# Altium PCB RT5728MainDriver20181215V0.01.PcbDoc (part 2 of 2)
Units mil, origin at the board's own origin, x right, y up, seen from the top; angles counter-clockwise.
Board outline 3937.01 x 2755.91 mil, 2 copper layers (Top Layer, Bottom Layer); 141 components, 77 nets, 350 pads, 543 vias.
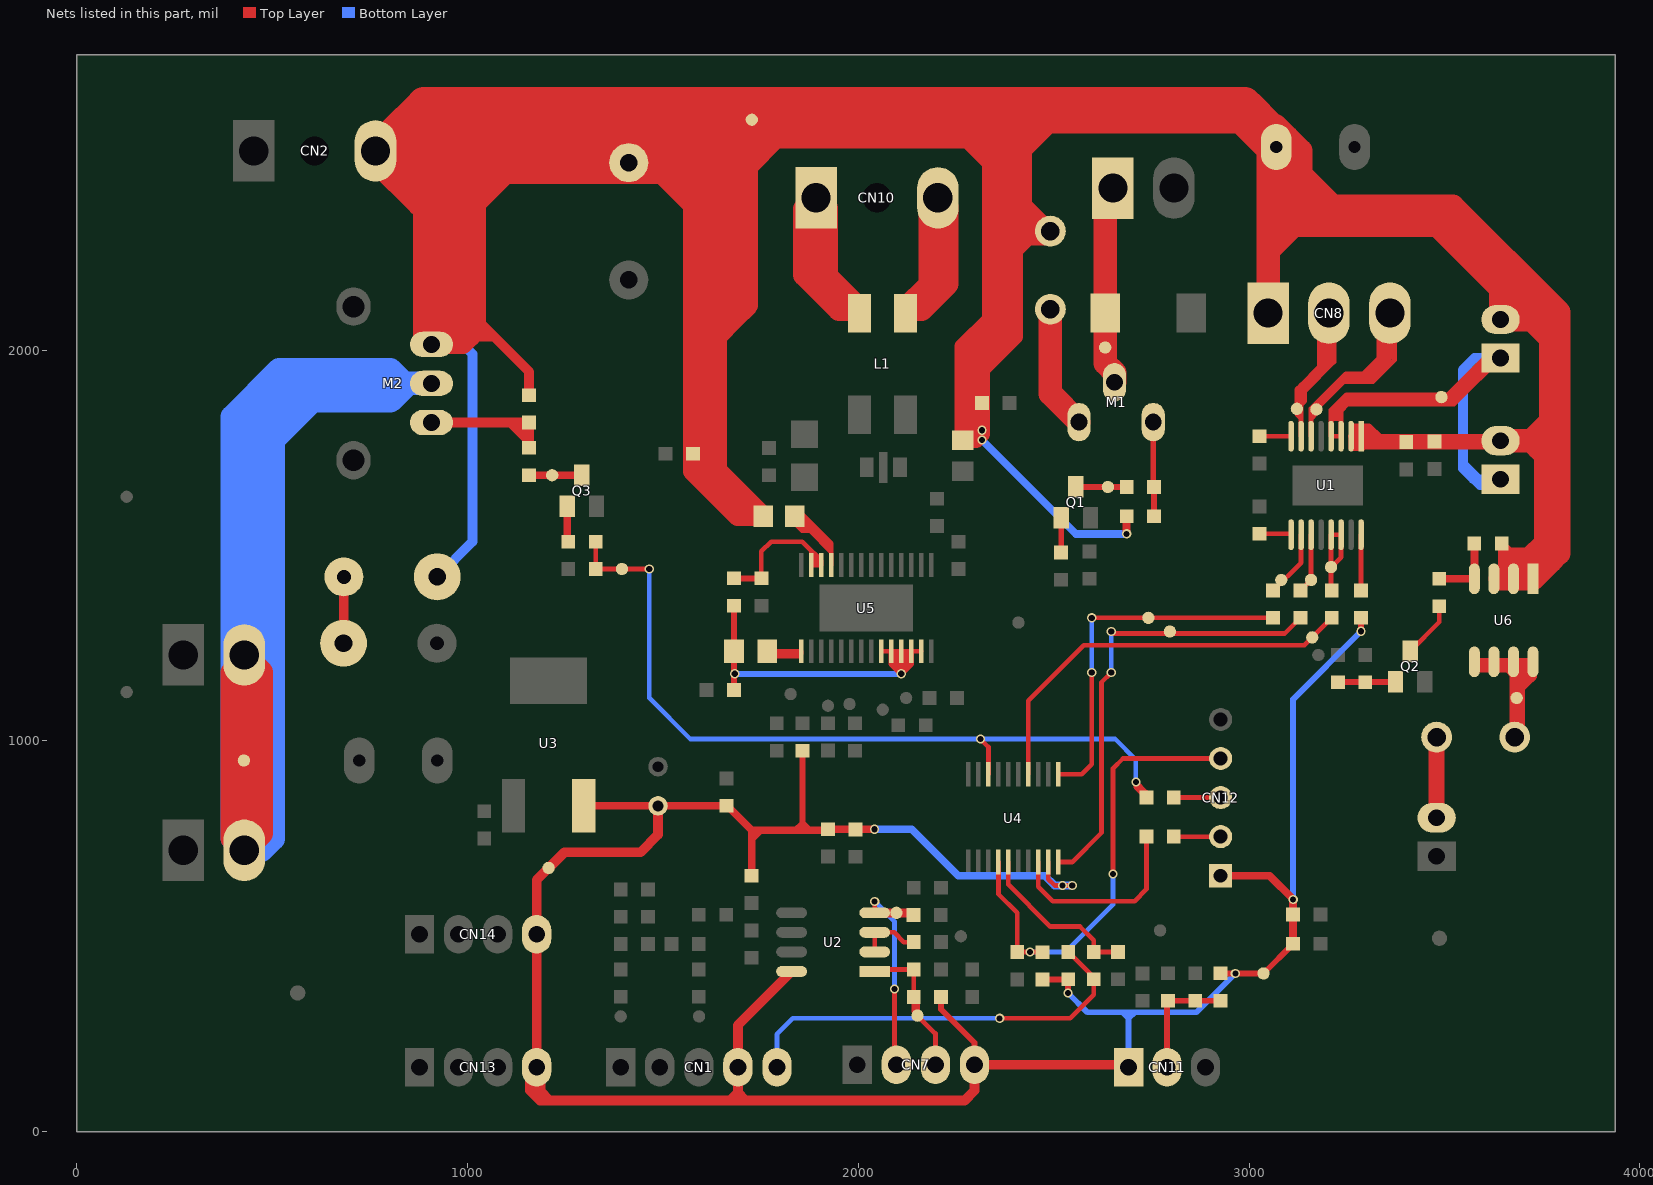
[diagram p2: the nets of this part, all layers, seen from the top]

## Via types
v1: diameter 23.62, hole 15.75, Top Layer to Bottom Layer, tented both sides, 513 vias
v2: diameter 19.68, hole 15.75, Top Layer to Bottom Layer, tented both sides, 30 vias

## Nets (pads, with @x,y where several pads share a name; then routed paths per layer and width w, separated by ;. In a path a pad name is that pad's centre, name@x,y a point inside that pad or via, vN(x,y) a via of type N, cw(c..) or ccw(c..) an arc to the next point about the centre after c; other vN are vias at no path point) (continued)
NetC22_1: C22.1 L4.2 R42.1 U5.23 U5.24 U5.25 U5.26 U5.27 | length 1020.8
  Top Layer w12: U5.23@2058.86,1229.53 U5.24@2084.45,1229.53 U5.25@2110.04,1229.53 U5.26@2135.63,1229.53 U5.27@2161.22,1229.53
  Top Layer w15: C22.1@1681.81,1130 L4.2@1681.81,1230 R42.1@1681.81,1346.1 ; U5.24@2084.45,1229.53 2084.45,1197.36 2097.24,1184.57 ; 2097.24,1224.96 2097.24,1184.57 ; U5.25@2110.04,1229.53 v1(2110.04,1171.77) ; 2123.27,1225.98 2123.27,1185 ; U5.26@2135.63,1229.53 2135.63,1197.36 2123.27,1185 ; 2097.24,1184.57 v1(2110.04,1171.77) ; v1(2110.04,1171.77) 2123.27,1185
  Bottom Layer w15: v1(1683.58,1171.77) v1(2110.04,1171.77)
NetCN3_2: CN3.2 CN5.2 M2.2 TP33.1 | length 7721.9
  Top Layer w60: CN3.2@428.35,720 397.44,750.91 397.44,1175 CN5.2@428.35,1205.91 ; CN3.2@428.35,720 CN5.2@428.35,1205.91 ; CN3.2@428.35,720 472.44,764.09 472.44,1175.91 CN5.2@428.35,1220 CN5.2@428.35,1205.91
  Bottom Layer w60: M2.2@907.44,1915 847.44,1915 ; CN3.2@428.35,720 397.44,750.91 397.44,1830 517.44,1950 792.44,1950 ; CN3.2@428.35,720 472.44,720 502.44,750 502.44,1770 ; CN3.2@428.35,720 472.44,764.09 472.44,1745 ; CN3.2@428.35,720 CN5.2@428.35,1220 428.35,1780.91 467.44,1820 ; 467.44,1820 502.44,1855 ; 467.44,1820 472.44,1815 472.44,1745 ; 472.44,1745 477.44,1745 502.44,1770 ; 502.44,1770 502.44,1855 ; 502.44,1770 602.44,1870 ; 502.44,1855 517.44,1870 ; 517.44,1870 602.44,1870 ; 517.44,1870 562.44,1915 827.44,1915 ; 602.44,1870 782.44,1870 ; 782.44,1870 802.44,1870 847.44,1915 ; 782.44,1870 827.44,1915 ; 792.44,1950 802.44,1950 827.44,1925 827.44,1915 ; 792.44,1950 827.44,1915 ; 827.44,1915 847.44,1915
NetCN4_1: CN4.1 D1.K M1.D TP12.1 | length 486.9
  Top Layer w60: CN4.1@2631.81,2395 D1.K@2631.81,2095 2631.81,1966.89 2655.81,1942.89 M1.D@2655.81,1918
NetCN10_1: CN10.1 L1.3 | length 849.5
  Top Layer w60: CN10.1@1863.35,2361.54 1863.35,2193.15 1951.57,2104.92 2002.76,2104.92 1918.17,2189.51 ; CN10.1@1891.81,2390 1891.81,2215.87 1918.17,2189.51 ; CN10.1@1918.17,2363.64 1918.17,2189.51
NetCN10_3: CN10.3 L1.4 | length 851.4
  Top Layer w60: CN10.3@2183.88,2370.26 2183.88,2167.93 ; CN10.3@2203.62,2390 2203.62,2187.68 2183.88,2167.93 ; CN10.3@2226.81,2366.81 2226.81,2170 2161.73,2104.92 2120.87,2104.92 2183.88,2167.93
NetCN11_2: CN11.2 R29.1 R36.2 R37.1 | length 332.8
  Top Layer w15: CN11.2@2790.24,165 2790.24,332.8 R37.1@2792.44,335 R36.2@2862.44,335 R29.1@2927.44,335 ; CN11.2@2791.81,165 CN11.2@2791.81,191.89
NetCN12_2: CN12.2 R41.1 | length 120
  Top Layer w12: R41.1@2807.44,755 CN12.2@2927.44,755
NetCN12_3: CN12.3 R48.1 | length 120
  Top Layer w12: R48.1@2807.44,855 CN12.3@2927.44,855
NetCN15_2: CN15.2 F2.1 | length 206.6
  Top Layer w40: CN15.2@3480,803.43 F2.1@3480,1010
NetF1_2: F1.2 M1.S | length 319.2
  Top Layer w60: F1.2@2491.81,2105 2491.81,1889 M1.S@2564.81,1816
NetF2_2: F2.2 TP21.1 U6.5 U6.6 U6.7 U6.8 | length 959
  Top Layer w20: U6.6@3630,1185 3576.81,1185 U6.5@3576.81,1202.4 U6.6@3626.81,1202.4 3647.4,1202.4 ; U6.6@3630,1185 3661.81,1185 ; U6.6@3630,1185 3647.4,1202.4 ; 3647.4,1202.4 3656.81,1202.4 ; 3656.81,1202.4 U6.7@3674.21,1185 ; 3656.81,1202.4 U6.7@3676.81,1202.4 ; 3661.81,1185 U6.7@3674.21,1185 ; 3661.81,1185 U6.7@3676.81,1170 ; U6.7@3674.21,1185 U6.7@3676.81,1185 ; U6.7@3676.81,1170 3689.21,1170 ; U6.7@3676.81,1170 U6.7@3676.81,1182.4 ; U6.7@3676.81,1170 3676.81,1013.19 F2.2@3680,1010 3696.81,1026.81 3696.81,1135 ; U6.7@3676.81,1182.4 U6.7@3676.81,1185 ; U6.7@3676.81,1182.4 3689.21,1170 ; U6.7@3676.81,1185 3696.81,1185 ; U6.7@3676.81,1185 U6.7@3676.81,1202.4 ; U6.7@3676.81,1202.4 3696.81,1202.4 ; 3689.21,1170 3691.81,1170 ; 3691.81,1170 3696.81,1170 ; 3691.81,1170 3696.81,1165 ; 3696.81,1135 3696.81,1165 ; 3696.81,1135 3711.81,1150 ; 3696.81,1165 3696.81,1170 ; 3696.81,1165 3711.81,1150 ; 3696.81,1170 3711.81,1170 3711.81,1185 ; 3696.81,1170 3696.81,1185 ; 3696.81,1185 3696.81,1202.4 ; 3696.81,1185 3711.81,1185 ; 3696.81,1202.4 3711.81,1202.4 ; 3711.81,1150 3726.81,1165 U6.8@3726.81,1202.4 3711.81,1202.4 ; 3711.81,1185 3711.81,1202.4
NetL2_1: L2.1 U5.11 | length 636.1
  Top Layer w12: L2.1@1836.81,1557.45 1855.54,1538.73 1865.54,1538.73 ; L2.1@1836.81,1567.45 1865.54,1538.73 ; L2.1@1841.81,1595 1901.81,1535 ; L2.1@1856.81,1565 1874.31,1547.5 ; 1889.31,1542.5 1901.81,1530 ; U5.11@1930.91,1450 1930.91,1483.45 ; 1865.54,1538.73 1875.63,1538.73 ; 1866.86,1547.5 1839.36,1575 L2.1@1836.81,1575 1864.31,1547.5 1866.86,1547.5 ; 1866.86,1547.5 1874.31,1547.5 ; 1866.86,1547.5 1875.63,1538.73 ; 1874.31,1547.5 1883.09,1538.73 ; 1875.63,1538.73 1883.09,1538.73 ; 1875.63,1538.73 1930.91,1483.45 ; 1883.09,1538.73 1901.81,1520 ; 1901.81,1520 1901.81,1530 ; 1901.81,1520 1930.91,1490.91 ; 1901.81,1530 1901.81,1535 ; 1901.81,1530 1930.91,1500.91 ; 1901.81,1535 1930.91,1505.91 1930.91,1500.91 ; 1930.91,1483.45 1930.91,1490.91 ; 1930.91,1490.91 1930.91,1500.91
NetL4_1: L4.1 U5.15 | length 188
  Top Layer w12: L4.1@1766.81,1230 L4.1@1767.28,1229.53 ; L4.1@1767.28,1229.53 1779.28,1217.53 1848.35,1217.53 1854.13,1223.31 U5.15@1854.13,1229.53 L4.1@1767.28,1229.53
NetM1_G: M1.G R13.1 R16.1 | length 239
  Top Layer w15: R13.1@2754.81,1652 M1.G@2754.81,1816 ; R16.1@2756.81,1575 R13.1@2756.81,1650
NetM2_1: M2.1 R18.1 R28.1 | length 382.1
  Top Layer w25: M2.1@907.44,1815 1110,1815 ; R18.1@1157.44,1750 1157.44,1767.56 ; 1110,1815 R28.1@1157.44,1815 1157.44,1767.56 ; 1110,1815 1157.44,1767.56
NetQ1_b: Q1.B R2.2 | length 88.7
  Top Layer w15: R2.2@2519.41,1482.6 Q1.B@2519.41,1571.26
NetQ1_c: Q1.C R13.2 TP5.1 | length 130
  Top Layer w15: Q1.C@2556.81,1650 R13.2@2686.81,1650
NetQ2_b: Q2.B R3.2 R4.2 | length 148.1
  Top Layer w15: R3.2@3227.44,1150 3228.7,1151.26 Q2.B@3375.04,1151.26
NetQ2_c: Q2.C R8.1 | length 145.8
  Top Layer w12: Q2.C@3412.44,1230 3486.81,1304.37 R8.1@3486.81,1345
NetQ3_b: Q3.B R17.2 | length 92.4
  Top Layer w20: Q3.B@1255.04,1601.26 1255.04,1512.84 R17.2@1257.88,1510
NetQ3_c: Q3.C R18.2 TP27.1 | length 135
  Top Layer w20: R18.2@1157.44,1680 Q3.C@1292.44,1680
NetR7_1: R7.1 R8.2 U6.4 | length 180
  Top Layer w20: R8.2@3486.81,1415 U6.4@3576.81,1415 R7.1@3576.81,1505
NetR22_2: R22.2 R23.1 | length 170.3
  Top Layer w25: R23.1@682.44,1250 683.23,1250.79 R22.2@683.23,1420
NetR27_1: R27.1 U2.2 U2.3 | length 160.4
  Top Layer w12: U2.2@2041.81,460 U2.3@2041.81,510 2091.81,510 2116.81,485 R27.1@2141.81,485
NetR40_2: R40.2 R42.2 U5.12 U5.13 | length 432.8
  Top Layer w12: R40.2@1751.81,1416.1 1751.81,1485 1776.81,1510 1856.81,1510 1879.72,1487.09 ; 1891.81,1450.71 1891.81,1475 ; 1898.56,1456.75 1898.56,1468.25 ; 1879.72,1487.09 1891.81,1475 ; 1879.72,1487.09 U5.13@1879.72,1450 U5.12@1905.31,1450 1905.31,1461.5 1898.56,1468.25 ; 1891.81,1475 1898.56,1468.25
  Top Layer w15: R42.2@1681.81,1416.1 R40.2@1751.81,1416.1
NetR44_1: R44.1 U1.16 | length 143
  Top Layer w12: R44.1@3286.81,1385 U1.16@3286.81,1528.03
NetR45_2: R45.2 U1.9 | length 78.9
  Top Layer w12: R45.2@3026.81,1530 U1.9@3105.71,1530
NetR46_2: R46.2 U1.8 | length 80.9
  Top Layer w12: R46.2@3026.81,1780 U1.8@3107.68,1780
NRST: C21.2 CN12.4 R43.2 U4.4 | length 1212.6
  Top Layer w12: U4.4@2358.58,690 2358.58,608.23 2406.81,560 C21.2@2406.81,459.56 R43.2@2471.81,459.56 ; v1(2652,659.56) 2652,929.56 2677.44,955 CN12.4@2927.44,955
  Bottom Layer w12: v1(2439.31,459.56) 2530,459.56 2652,581.56 v1(2652,659.56)
RX: CN7.3 R24.2 R25.1 TP17.1 U2.1 | length 424
  Top Layer w12: U2.1@2046.81,415 R25.1@2141.81,415 R24.2@2141.81,355 ; CN7.3@2197.44,171 2197.44,250.99 TP17.1@2151.44,296.99 ; R24.2@2141.81,355 R24.2@2141.81,345 2141.81,306.62 TP17.1@2151.44,296.99 ; R24.2@2141.81,355 2151.44,345.37 TP17.1@2151.44,296.99
SWCLK/POWER: R12.1 R17.1 R48.2 TP26.1 U4.18 | length 2106.5
  Top Layer w12: R17.1@1327.88,1510 R12.1@1327.88,1440 TP26.1@1395,1440 v1(1465,1440) ; v1(2312.44,1005) 2332.99,984.45 U4.18@2332.99,914.41 ; 2710.44,882 R48.2@2737.44,855 2737.44,868 v1(2710.44,895) 2710.44,882
  Bottom Layer w12: v1(1465,1440) 1465,1110 1570,1005 v1(2312.44,1005) 2657.44,1005 2710.44,952 v1(2710.44,895)
SWDIO: R41.2 U4.8 | length 502.5
  Top Layer w12: U4.8@2460.94,690 2460.94,626.5 2497.44,590 2707.44,590 2737.44,620 R41.2@2737.44,755
TX: CN7.2 R26.1 TP16.1 U2.4 | length 658.3
  Top Layer w12: U2.4@2041.81,560 v1(2041.81,589.37) ; U2.4@2046.81,565 2097.44,565 2125.36,565 R26.1@2136.11,554.25 ; U2.4@2047.56,554.25 R26.1@2136.11,554.25 ; v1(2092.44,365) 2092.44,176 CN7.2@2097.44,171 ; R26.1@2141.37,554.25 R26.1@2136.11,554.25
  Bottom Layer w12: v1(2041.81,589.37) 2092.44,538.74 v1(2092.44,365)
V24: C2.1 C7.1 C8.1 C11.1 C19.1 C20.1 CN2.3 CN6.2 CN8.1 CN9.2 F1.1 L2.2 L3.2 M2.3 R7.2 R16.2 R22.1 R28.2 TP11.1 U1.1 U1.2 U6.1 U6.2 U6.3 | length 32569.1
  Top Layer w15: U1.2@3261.22,1780 3261.81,1779.41 3261.81,1750 3290.7,1750 3306.81,1766.11 3326.57,1785.87 ; 3271.81,1790.59 3271.81,1805 3307.44,1805 3317.44,1795 ; 3301.81,1795 3317.44,1795 ; 3302.44,1780 3317.44,1795 ; 3346.33,1766.11 3326.57,1785.87 ; 3317.44,1795 3326.57,1785.87
  Top Layer w20: v1(2686.81,1530) R16.2@2686.81,1575 ; U6.3@3626.81,1440 U6.3@3626.81,1435 ; U6.3@3631.81,1420 U6.3@3626.81,1415 U6.3@3626.81,1435 ; 3692.44,1430.63 3692.44,1460 ; 3707.44,1434.37 3707.44,1460 ; 3739.94,1750.93 3739.94,1514.94 ; 3771.81,1460 3727.44,1460 ; 3792.36,1480.55 3780.22,1468.41 3772.44,1468.41 3735.85,1468.41 ; U6.3@3626.81,1435 3656.81,1435 ; 3646.81,1460 3666.81,1460 ; 3646.81,1460 3646.81,1480 ; 3646.81,1460 U6.2@3676.81,1430 ; 3646.81,1460 3646.81,1445 3656.81,1435 ; 3646.81,1480 3658.41,1468.41 ; 3646.81,1480 R7.2@3646.81,1505 3666.81,1485 ; 3656.81,1435 U6.2@3676.81,1415 U6.2@3676.81,1430 ; 3658.41,1468.41 3666.81,1460 ; 3658.41,1468.41 3683.41,1468.41 ; 3666.81,1460 3691.81,1460 ; 3666.81,1460 3676.81,1450 U6.2@3676.81,1430 ; 3666.81,1485 3710,1485 ; 3666.81,1485 3683.41,1468.41 ; 3683.41,1468.41 3691.81,1460 ; 3683.41,1468.41 3723.35,1468.41 ; 3691.81,1460 3692.44,1460 ; 3692.44,1460 3707.44,1460 ; 3707.44,1460 3714.94,1460 ; 3710,1485 3739.94,1485 ; 3710,1485 3739.94,1514.94 ; 3714.94,1460 3723.35,1468.41 ; 3714.94,1460 3727.44,1460 ; 3723.35,1468.41 3739.94,1485 ; 3723.35,1468.41 3735.85,1468.41 ; 3727.44,1460 3735.85,1468.41 ; 3735.85,1468.41 3739.94,1472.5 ; 3739.94,1472.5 3752.44,1485 ; 3739.94,1472.5 3739.94,1485 ; 3739.94,1485 3739.94,1514.94 ; 3739.94,1485 3752.44,1485 ; 3739.94,1514.94 3749.92,1524.92 3772.44,1524.92 3792.36,1524.92 3772.44,1505 3752.44,1485
  Top Layer w25: M2.3@907.64,2015 912.44,2019.8 927.64,2035 970.94,2035 1007.44,2035 1067.44,2035 ; 992.44,2110 1022.44,2080 1067.44,2035 ; R28.2@1157.44,1885 1157.44,1945 1067.44,2035
  Top Layer w40: 2336.81,2615 2336.81,2560 2336.81,2541.3 2336.81,2485 2336.81,2080 ; 2371.81,2580 2371.81,2540 2371.81,2050 ; 2401.81,2600 2401.81,2575 ; 2424.31,2577.5 2424.31,2575 ; F1.1@2474.31,2287.5 2434.31,2287.5 ; F1.1@2491.81,2305 F1.1@2471.81,2325 ; 2501.81,2587.5 2489.31,2575 ; 2501.81,2620 2456.81,2575 ; C7.1@3052.44,2510 2987.44,2575 2489.31,2575 ; U1.1@3286.41,1790.4 3286.41,1766.11 3306.81,1766.11 3346.33,1766.11 C11.1@3474.6,1766.11 CN9.2@3641.39,1766.11 ; L3.2@2266.81,1770 2266.81,2010 2336.81,2080 ; L3.2@2266.81,1770 2286.81,1790 2286.81,1965 ; L3.2@2266.81,1770 2301.81,1770 2316.81,1785 v1(2316.81,1795) C20.1@2316.81,1865 2316.81,1950 2401.81,2035 2401.81,2080 ; 2286.81,1965 2286.81,1995 2336.81,2045 2336.81,2080 ; 2286.81,1965 2371.81,2050 ; 2371.81,2050 2401.81,2080 ; 2401.81,2080 2401.81,2255 ; 2401.81,2255 2401.81,2325 2401.81,2395 ; 2401.81,2255 2434.31,2287.5 ; 2401.81,2395 2401.81,2520 ; 2401.81,2395 2424.31,2372.5 ; 2401.81,2520 2401.81,2575 ; 2401.81,2520 2424.31,2542.5 ; 2401.81,2575 2424.31,2575 ; 2424.31,2372.5 2424.31,2510 ; 2424.31,2372.5 2454.31,2342.5 ; 2424.31,2510 2489.31,2575 ; 2424.31,2510 2424.31,2542.5 ; 2424.31,2542.5 2424.31,2575 ; 2424.31,2542.5 2456.81,2575 ; 2424.31,2575 2456.81,2575 ; 2434.31,2287.5 F1.1@2454.31,2307.5 ; F1.1@2454.31,2307.5 2454.31,2342.5 ; F1.1@2454.31,2307.5 F1.1@2471.81,2325 ; 2454.31,2342.5 F1.1@2471.81,2325 ; 2456.81,2575 2489.31,2575
  Top Layer w50: 882.44,2565.63 872.44,2555.63 872.44,2520 872.44,2477.19 ; M2.3@912.44,2019.8 912.44,2330 ; M2.3@927.64,2035 952.44,2059.8 952.44,2340 ; 962.44,2565.63 952.44,2555.63 952.44,2520 952.44,2477.19 ; 1122.44,2565.63 1118.07,2565.63 1072.44,2520 1029.63,2477.19 ; 1172.44,2520 1167.44,2520 ; 1376.81,2520 1383.62,2520 1426.81,2520 1469.63,2477.19 ; 1421.81,2565 1466.81,2520 1509.63,2477.19 ; 1481.81,2545 1506.81,2520 ; 1579.31,2535 1576.81,2532.5 1576.81,2506.89 1576.81,2466.89 1576.81,2410 ; 1608.7,2005 1639.31,2035.61 ; 1621.81,2620 1616.81,2615 1616.81,2530 1639.31,2552.5 ; 1639.31,2557.5 1639.31,2552.5 ; 1706.81,2620 1639.31,2552.5 ; 1718.7,2608.11 TP11.1@1718.7,2586.89 ; 1751.81,2620 TP11.1@1718.7,2586.89 ; 1784.31,2620 1724.31,2560 ; 1895,2620 1868.7,2620 1808.7,2560 ; 2351.81,2470 2336.81,2485 2280.51,2541.3 ; 2356.81,2560 2336.81,2560 2261.81,2560 ; 2371.81,2540 2370.51,2541.3 2336.81,2541.3 2280.51,2541.3 ; CN2.3@797.07,2477.19 872.44,2401.81 ; CN2.3@797.07,2477.19 CN2.3@764.25,2510 764.25,2478.19 872.44,2370 ; CN2.3@797.07,2477.19 872.44,2477.19 ; 872.44,2370 885,2357.44 ; 872.44,2370 872.44,2401.81 ; 872.44,2401.81 885,2389.25 885,2357.44 ; 872.44,2401.81 872.44,2477.19 ; 872.44,2477.19 912.44,2477.19 ; 885,2357.44 885,2037.64 M2.3@907.64,2015 M2.3@950.94,2015 ; 885,2357.44 912.44,2330 ; 912.44,2330 912.44,2477.19 ; 912.44,2477.19 952.44,2477.19 ; M2.3@950.94,2015 970.94,2035 992.44,2056.5 992.44,2110 992.44,2380 ; M2.3@950.94,2015 987.44,2015 1007.44,2035 1022.44,2050 1022.44,2080 1022.44,2375 ; 952.44,2340 992.44,2380 ; 952.44,2340 952.44,2400 ; 952.44,2400 952.44,2477.19 ; 952.44,2400 1029.63,2477.19 ; 952.44,2477.19 1029.63,2477.19 ; 992.44,2380 1022.44,2410 ; 1022.44,2375 1098.35,2450.91 ; 1022.44,2375 1022.44,2410 ; 1022.44,2410 1063.35,2450.91 ; 1029.63,2477.19 1055.91,2450.91 1063.35,2450.91 ; 1029.63,2477.19 1089.63,2477.19 ; 1063.35,2450.91 1089.63,2477.19 ; 1063.35,2450.91 1098.35,2450.91 ; 1089.63,2477.19 1124.63,2477.19 ; 1089.63,2477.19 1132.44,2520 1167.44,2520 ; 1098.35,2450.91 1124.63,2477.19 ; 1098.35,2450.91 1495.91,2450.91 ; 1124.63,2477.19 1469.63,2477.19 ; 1124.63,2477.19 1167.44,2520 ; 1469.63,2477.19 1495.91,2450.91 ; 1469.63,2477.19 1509.63,2477.19 ; 1495.91,2450.91 1576.81,2370 ; 1509.63,2477.19 1576.81,2410 ; 1576.81,1755 C19.1@1576.81,1735 1576.81,1690 1691.81,1575 1711.81,1575 ; 1576.81,1755 1604.01,1727.81 ; 1576.81,1755 1576.81,2087.5 ; 1576.81,2087.5 1576.81,2370 ; 1576.81,2087.5 1604.01,2114.69 ; 1576.81,2370 1576.81,2410 ; 1604.01,1727.81 1604.01,2114.69 ; 1604.01,1727.81 1616.81,1715 ; 1604.01,2114.69 1604.01,2439.69 1604.01,2472.19 1607.76,2475.94 1623.06,2491.25 1639.31,2507.5 ; 1604.01,2114.69 1639.31,2150 ; 1616.81,1715 1616.81,1670 1711.81,1575 ; 1616.81,1715 1639.31,1692.5 ; 1639.31,1692.5 L2.2@1756.81,1575 1711.81,1575 ; 1639.31,1692.5 1639.31,2035.61 ; 1639.31,2035.61 1683.7,2080 ; 1639.31,2035.61 1639.31,2150 ; 1639.31,2150 1639.31,2404.39 1639.31,2444.39 1639.31,2475 ; 1639.31,2150 1683.7,2194.39 ; 1639.31,2475 1639.31,2507.5 ; 1639.31,2475 1718.7,2554.39 ; 1639.31,2507.5 1639.31,2552.5 ; 1639.31,2507.5 1691.81,2560 ; 1683.7,2080 1683.7,2194.39 ; 1683.7,2080 1718.7,2115 1718.7,2470 ; 1683.7,2194.39 1683.7,2465 1718.7,2500 ; 1691.81,2560 1718.7,2560 ; 1691.81,2560 TP11.1@1718.7,2586.89 ; 1718.7,2470 1790,2541.3 ; 1718.7,2470 1718.7,2500 ; 1718.7,2500 1760,2541.3 ; 1718.7,2500 1718.7,2554.39 ; 1718.7,2554.39 1718.7,2560 ; 1718.7,2554.39 1724.31,2560 ; 1718.7,2560 TP11.1@1718.7,2586.89 ; 1718.7,2560 1724.31,2560 ; 1724.31,2560 1778.7,2560 ; 1760,2541.3 1778.7,2560 ; 1760,2541.3 1790,2541.3 ; 1778.7,2560 1808.7,2560 ; 1790,2541.3 1808.7,2560 ; 1790,2541.3 2280.51,2541.3 ; 1808.7,2560 2261.81,2560 ; 2261.81,2560 2280.51,2541.3
  Top Layer w60: CN8.1@3048.7,2095 3048.7,2255 ; C7.1@3048.7,2506.26 3048.7,2388.74 ; C7.1@3067.32,2575.12 C7.1@3097.44,2545 ; 3271,2320 3262.44,2320 ; 3642.44,1415 U6.2@3676.81,1415 U6.1@3726.81,1415 3771.81,1460 3772.44,1460.63 ; CN9.2@3643.7,1768.43 3722.44,1768.43 ; 3643.7,2160 3643.7,2158.66 ; 3764.02,1768.43 3722.44,1768.43 ; 3780.22,1468.41 3772.44,1460.63 ; 3792.36,1480.55 3792.36,1524.92 3792.36,1698.5 ; 3048.7,2255 3113.7,2320 ; 3048.7,2255 3048.7,2291.26 ; 3048.7,2291.26 3048.7,2340 ; 3048.7,2291.26 3077.44,2320 ; 3048.7,2340 3048.7,2388.74 ; 3048.7,2340 3097.44,2340 ; 3048.7,2388.74 3097.44,2340 ; 3077.44,2320 3097.44,2340 ; 3077.44,2320 3113.7,2320 ; 3097.44,2340 3097.44,2385 ; 3097.44,2340 3142.44,2340 ; 3097.44,2385 C7.1@3097.44,2545 ; 3097.44,2385 3132.44,2350 ; C7.1@3097.44,2545 3132.44,2510 3132.44,2450 ; 3113.7,2320 3227.44,2320 ; 3132.44,2350 3132.44,2415 ; 3132.44,2350 3142.44,2340 ; 3132.44,2415 3132.44,2450 ; 3132.44,2415 3178.72,2368.72 ; 3132.44,2450 3213.72,2368.72 ; 3142.44,2340 3207.44,2340 ; 3178.72,2368.72 3213.72,2368.72 ; 3178.72,2368.72 3207.44,2340 ; 3207.44,2340 3242.44,2340 ; 3207.44,2340 3227.44,2320 ; 3213.72,2368.72 3521.28,2368.72 3792.36,2097.64 3792.36,2040.08 ; 3213.72,2368.72 3242.44,2340 ; 3227.44,2320 3262.44,2320 ; 3242.44,2340 3462.36,2340 ; 3242.44,2340 3262.44,2320 ; 3262.44,2320 3482.36,2320 ; 3462.36,2340 3482.36,2320 ; 3462.36,2340 3492.44,2340 3792.36,2040.08 ; 3482.36,2320 3643.7,2158.66 ; 3643.7,2158.66 3723.94,2078.43 ; 3643.7,2158.66 CN6.2@3643.7,2078.43 3723.94,2078.43 ; 3722.44,1768.43 3739.94,1750.93 3772.44,1718.43 ; 3722.44,1768.43 3772.44,1818.43 ; 3723.94,2078.43 3772.44,2029.92 ; 3772.44,1460.63 3772.44,1468.41 3772.44,1505 3772.44,1524.92 3772.44,1718.43 ; 3772.44,1718.43 3792.36,1698.5 ; 3772.44,1718.43 3772.44,1818.43 ; 3772.44,1818.43 3792.36,1838.35 ; 3772.44,1818.43 3772.44,2029.92 ; 3772.44,2029.92 3792.36,2010 ; 3792.36,1698.5 3792.36,1838.35 ; 3792.36,1838.35 3792.36,2010 ; 3792.36,2010 3792.36,2040.08
  Top Layer w80: CN2.3@764.25,2510 CN2.3@774.25,2520 ; 1118.07,2565.63 962.44,2565.63 882.44,2565.63 819.88,2565.63 ; 1122.44,2565.63 1352.44,2565.63 ; 1132.44,2520 1072.44,2520 952.44,2520 872.44,2520 CN2.3@774.25,2520 ; 1172.44,2520 1306.81,2520 ; C2.1@1383.62,2520 1421.81,2558.19 ; C2.1@1426.81,2520 1466.81,2520 1506.81,2520 1523.7,2520 ; 1561.81,2520 1523.7,2520 ; 1571.81,2565 1421.81,2565 ; 1639.31,2404.39 1604.01,2439.69 1576.81,2466.89 1523.7,2520 ; 1639.31,2475 1623.06,2491.25 1579.31,2535 1548.7,2535 ; 1663.7,2420 1639.31,2444.39 1607.76,2475.94 1576.81,2506.89 1548.7,2535 ; 2381.81,2325 2401.81,2325 ; 2501.81,2620 1868.7,2620 1784.31,2620 1751.81,2620 1706.81,2620 1621.81,2620 1476.81,2620 ; 2503.41,2621.59 2954.04,2621.59 ; CN2.3@774.25,2520 819.88,2565.63 ; 819.88,2565.63 874.25,2620 ; 874.25,2620 888.07,2633.82 2990,2633.82 3002.22,2621.59 ; 874.25,2620 1406.81,2620 ; 1306.81,2520 1352.44,2565.63 ; 1306.81,2520 1376.81,2520 1421.81,2565 ; 1352.44,2565.63 1406.81,2620 ; 1406.81,2620 1476.81,2620 ; 1421.81,2565 1476.81,2620 ; 1523.7,2520 1508.7,2535 1548.7,2535 ; 2954.04,2621.59 3048.7,2526.93 3048.7,2575.12 3002.22,2621.59 ; 2954.04,2621.59 3002.22,2621.59
  Bottom Layer w20: v1(2316.81,1795) v1(2316.81,1770) 2556.81,1530 v1(2686.81,1530)
  Bottom Layer w25: M2.3@907.64,2015 987.44,2015 1012.44,1990 1012.44,1510 R22.1@922.44,1420
VALVE2_ENBL: R10.1 TP1.1 U4.14 | length 1048.7
  Top Layer w12: U4.14@2435.35,914.41 2435.35,1102.91 2577.44,1245 3141.81,1245 3201.81,1305 R10.1@3211.81,1305
VALVE2ENBL: R10.2 TP8.1 U1.13 U1.14 | length 260.5
  Top Layer w12: R10.2@3210.04,1386.77 TP8.1@3210.04,1445 ; TP8.1@3210.04,1445 3235.63,1470.59 U1.14@3235.63,1528.03 U1.13@3210.04,1528.03 TP8.1@3210.04,1445
VALVE2OUT: CN6.1 CN9.1 TP22.1 U1.3 U1.4 | length 2772.8
  Top Layer w12: CN6.1@3602.44,1980 3508.71,1886.26 ; CN6.1@3612.44,1980 3518.71,1886.26 ; CN6.1@3643.7,1980 CN6.1@3642.44,1980 ; 3210.04,1820 3215.04,1825 ; 3210.04,1820 U1.4@3210.04,1780 U1.3@3235.63,1780 3235.63,1825 ; 3210.04,1820 3210.04,1835 ; 3210.04,1835 3235.63,1860.59 ; 3210.04,1835 3225.04,1835 ; 3210.04,1835 3210.04,1847.6 3242.44,1880 ; 3215.04,1825 3235.63,1825 ; 3215.04,1825 3225.04,1835 ; 3225.04,1835 3225.63,1835 3235.63,1825 ; 3225.04,1835 3235.63,1845.59 ; 3235.63,1825 3235.63,1845.59 ; 3235.63,1845.59 3252.44,1862.4 ; 3235.63,1845.59 3235.63,1860.59 ; 3235.63,1860.59 3237.44,1862.4 ; 3237.44,1862.4 3247.44,1872.4 ; 3237.44,1862.4 3252.44,1862.4 ; 3242.44,1880 3255.04,1880 ; 3242.44,1880 3248.71,1886.26 3508.71,1886.26 ; 3247.44,1872.4 3255.04,1880 ; 3247.44,1872.4 3262.44,1872.4 ; 3252.44,1862.4 3524.84,1862.4 3534.84,1872.4 ; 3252.44,1862.4 3262.44,1872.4 ; 3255.04,1880 3270.04,1880 ; 3262.44,1872.4 3534.84,1872.4 ; 3262.44,1872.4 3270.04,1880 ; 3270.04,1880 TP22.1@3502.44,1880 ; TP22.1@3502.44,1880 3512.44,1880 ; TP22.1@3502.44,1880 3508.71,1886.26 ; 3508.71,1886.26 3518.71,1886.26 ; 3512.44,1880 3527.44,1880 3533.71,1886.26 ; 3512.44,1880 3518.71,1886.26 ; 3518.71,1886.26 3533.71,1886.26 ; 3533.71,1886.26 3627.44,1980 CN6.1@3642.44,1980 ; 3534.84,1872.4 CN6.1@3642.44,1980
  Bottom Layer w25: CN9.1@3640,1655 3590.96,1655 3575.96,1670 ; CN9.1@3643.7,1670 3586.18,1670 ; CN6.1@3643.7,1980 3577.44,1980 3547.44,1950 3547.44,1708.74 ; 3547.44,1708.74 3547.44,1697.44 3574.88,1670 3575.96,1670 ; 3547.44,1708.74 3586.18,1670 ; 3575.96,1670 3586.18,1670
VALVE3_ENBL: R11.1 TP2.1 U4.10 | length 1169.7
  Top Layer w12: U4.10@2512.13,690 2547.44,690 2622.44,765 2622.44,1150 v1(2647.44,1175) ; v1(2647.44,1280) 2652.44,1275 3091.81,1275 R11.1@3131.81,1315
  Bottom Layer w12: v1(2647.44,1175) v1(2647.44,1280)
VALVE3ENBL: R11.2 TP9.1 U1.11 | length 154.2
  Top Layer w12: R11.2@3131.81,1385 TP9.1@3158.86,1412.05 U1.11@3158.86,1528.03
VALVE3OUT: CN8.3 TP20.1 U1.6 | length 1376.8
  Top Layer w12: U1.6@3158.86,1780 3158.86,1825 ; TP20.1@3172.44,1838.58 3158.86,1825 ; CN8.3@3332.44,2066.93 3332.44,1980 ; 3337.44,1985 3332.44,1980 ; CN8.3@3342.44,2076.93 3342.44,1975 ; CN8.3@3352.44,2086.93 3352.44,1985 3342.44,1975 ; CN8.3@3360.51,2095 3360.51,1978.07 3312.44,1930 3297.44,1930 ; CN8.3@3372.44,2083.07 3372.44,1975 3317.44,1920 3243.86,1920 ; 3158.86,1825 3158.86,1835 ; 3158.86,1835 TP20.1@3172.44,1848.58 3243.86,1920 ; 3158.86,1835 3158.86,1851.42 3237.44,1930 ; 3237.44,1930 3247.44,1940 3292.44,1940 ; 3237.44,1930 3253.86,1930 ; 3243.86,1920 3253.86,1930 ; 3253.86,1930 3297.44,1930 ; 3292.44,1940 3332.44,1980 ; 3292.44,1940 3307.44,1940 ; 3297.44,1930 3307.44,1940 ; 3307.44,1940 3332.44,1965 ; 3332.44,1965 3342.44,1975 ; 3332.44,1965 3332.44,1980
VALVE4_ENBL: R9.1 TP3.1 U4.11 | length 935.3
  Top Layer w12: U4.11@2512.13,914.41 2571.85,914.41 2597.44,940 v1(2597.44,1175) ; v1(2597.44,1315) TP3.1@2742.44,1315 R9.1@3061.81,1315
  Bottom Layer w12: v1(2597.44,1175) v1(2597.44,1315)
VALVE4ENBL: R9.2 TP10.1 U1.10 | length 172.6
  Top Layer w12: R9.2@3061.81,1385 3133.27,1456.46 U1.10@3133.27,1528.03
VALVE4OUT: CN8.2 TP19.1 U1.7 | length 1270.1
  Top Layer w12: U1.7@3133.27,1780 3133.27,1825 ; CN8.2@3179.94,2070.33 3179.94,1957.5 ; CN8.2@3187.44,2077.83 3187.44,1965 ; CN8.2@3197.44,2087.83 3197.44,1975 ; CN8.2@3204.61,2095 3204.61,1982.17 3197.44,1975 ; CN8.2@3208.27,2077.01 3208.27,1975 ; CN8.2@3217.44,2082.17 3217.44,1984.17 ; 3133.27,1825 TP19.1@3133.27,1860 ; 3133.27,1825 3122.44,1835.83 TP19.1@3122.44,1850 3122.44,1900 3133.27,1910.83 ; TP19.1@3133.27,1860 3142.44,1869.17 3142.44,1895 ; TP19.1@3133.27,1860 3133.27,1900 ; 3133.27,1900 3133.27,1910.83 ; 3133.27,1900 3142.44,1909.17 ; 3133.27,1910.83 3179.94,1957.5 ; 3142.44,1895 3217.44,1970 3217.44,1984.17 ; 3142.44,1895 3142.44,1909.17 ; 3142.44,1909.17 3208.27,1975 ; 3179.94,1957.5 3187.44,1965 ; 3187.44,1965 3197.44,1975 ; 3208.27,1975 3217.44,1984.17
VCC: C9.1 C10.1 C12.2 C13.1 C25.1 C26.1 CN1.4 CN7.4 CN11.1 CN12.1 CN13.4 CN14.4 R20.2 R24.1 R29.2 R35.2 R43.1 R44.2 R47.2 TP23.1 TP24.1 U2.8 U3.3 U4.9 | length 7389.4
  Top Layer w12: U4.9@2486.53,690 2486.53,645.91 2502.44,630 v1(2522.44,630) v1(2547.44,630)
  Top Layer w15: 1838.94,771.5 1857.44,790 ; 1852.44,771.5 1857.44,776.5 1857.44,790 ; R47.2@1857.44,975 1857.44,790 ; 1882.44,771.5 1875.94,771.5 1857.44,790 ; R24.1@2211.81,345 2211.81,313.19 2297.44,227.56 CN7.4@2297.44,171 ; R43.1@2471.81,389.56 2537,389.56 2536.81,389.37 v1(2536.81,355) ; R29.2@2927.44,405 v1(2965,405) TP24.1@3037.19,405 C26.1@3112.93,480.75 ; v1(3286.81,1280.63) R44.2@3286.81,1315
  Top Layer w20: U3.3@1297.36,834 C9.1@1487.44,834 1664.94,834 1727.44,771.5 ; R20.2@1727.44,655.63 1727.44,750 ; 1752.44,771.5 1748.94,771.5 ; C12.2@1911.06,771.5 1875.94,771.5 1852.44,771.5 1838.94,771.5 1748.94,771.5 ; C12.2@1922.44,774 v1(2041.7,774) ; R35.2@2537,389.56 R35.2@2537.44,390 ; CN12.1@2927.44,655 3052.44,655 v1(3112.93,594.51) C25.1@3112.93,555.75 C26.1@3112.93,480.75 ; 1727.44,750 1748.94,771.5 ; 1727.44,750 1727.44,771.5 ; 1727.44,771.5 1748.94,771.5
  Top Layer w25: C9.1@1487.44,834 1487.44,760 1442.44,715 1247.44,715 1176.81,644.37 CN14.4@1176.81,505 CN13.4@1176.81,165 ; 1691.81,80.63 1691.81,100 ; U2.8@1829.21,410 1691.81,272.6 CN1.4@1691.81,165 1691.81,100 ; CN11.1@2691.81,165 2685.82,171 CN7.4@2297.44,171 2297.44,105 2272.44,80 1711.81,80 ; CN13.4@1176.81,165 1187.5,154.31 1187.5,102.5 ; CN13.4@1176.81,165 1160,148.19 1160,105 1185,80 1210,80 ; CN13.4@1176.81,165 1176.81,113.19 1187.5,102.5 ; 1187.5,102.5 1210,80 ; 1210,80 1671.81,80 ; 1671.81,80 1711.81,80 ; 1671.81,80 1691.81,100 ; 1691.81,100 1711.81,80
  Bottom Layer w15: v1(2536.81,355) 2586.18,305.63 2676.18,305.63 ; CN11.1@2691.81,165 2691.81,290 ; 2720,305.63 2707.44,305.63 ; v1(2965,405) 2865.63,305.63 2707.44,305.63 ; v1(3112.93,594.51) 3112.93,1106.75 v1(3286.81,1280.63) ; 2676.18,305.63 2692.44,305.63 ; 2676.18,305.63 2691.81,290 ; 2691.81,290 2707.44,305.63 ; 2691.81,290 2691.81,305 2692.44,305.63 ; 2692.44,305.63 2707.44,305.63
  Bottom Layer w20: v1(2041.7,774) 2136.78,774 2255.78,655 2477.44,655 2502.44,630 v1(2522.44,630) v1(2547.44,630)
WAKE: CN1.5 R35.1 R38.1 | length 1073.6
  Top Layer w12: v1(2361.74,290) 2542.44,290 2602.44,350 R38.1@2602.44,390 2602.44,395 R35.1@2537.44,460
  Bottom Layer w12: CN1.5@1791.81,165 1791.81,249.37 1832.44,290 v1(2361.74,290)
WAKEUP: C4.2 R38.2 U4.5 | length 427.3
  Top Layer w12: U4.5@2384.17,690 2384.17,632.64 2491.81,525 2567.44,525 2602.44,490 R38.2@2602.44,460 C4.2@2665,460
pads on no net: CN2.2 CN10.2 M2.4 M2.5 U1.15 U5.22

## Polygon pours and split planes (outlines as drawn)
GND on Top Layer "Top Layer-No Net" (solid, remove dead copper, pour order 4): 0,2755.91 3937.01,2755.91 3937.01,0 0,0
GND on Bottom Layer "Top Layer-No Net" (solid, remove dead copper, pour order 3): 0,2755.91 3937.01,2755.91 3937.01,0 0,0

## Keep-outs
Keep-Out Layer:
  circle w5: c3779.53,2913.39 r68.9
  circle w5: c157.48,5354.33 r68.9
  circle w5: c157.48,2913.39 r68.9
  circle w5: c3779.53,5354.33 r68.9
  circle w5: c3779.53,2598.43 r68.9
  circle w5: c157.48,157.48 r68.9
  circle w5: c157.48,2598.43 r68.9
  circle w5: c3779.53,157.48 r68.9
  lines w5: 0,2755.91 0,5511.81 3937.01,5511.81 3937.01,2755.91 ; 0,2755.91 3937.01,2755.91 ; 0,2755.91 3937.01,2755.91 ; 0,2755.91 0,0 3937.01,0 3937.01,2755.91

## Other copper
Top Layer:
  pour cut-out: 2235,660 2270,660 2270,625
  pour cut-out: 145,1590 145,2240 170,2265 837.84,2265 870,2232.84 870,1585 845,1560 174.9,1560.1
  pour cut-out: 2727.44,2550 2724.96,2547.52 2724.96,2277.52 2692.44,2245 2692.44,1979.52 2691.13,1978.21 2691.13,1862.99 2690.43,1862.99 2652.44,1825 2607.44,1825 2442.44,1990 2442.44,2450 2542.44,2550
  pour cut-out: 1801.65,2515 2252.44,2515 2307.44,2460 2307.44,2107.69 2202.44,2002.69 2202.44,1830 2157.44,1785 1937.44,1785 1902.44,1820 1902.44,1985 1764.09,2123.35 1764.09,2481.2
  pour cut-out: 2962.44,2200 2982.44,2220 3462.44,2220 3487.44,2195 3487.44,1985 3467.44,1965 2977.44,1965 2962.44,1980
  pour cut-out: 3779.53,2440.94 ccw(c3779.53,2598.43) 3937.01,2598.43 ccw(c3779.53,2598.43) 3779.53,2755.91 ccw(c3779.53,2598.43) 3622.05,2598.43 ccw(c3779.53,2598.43)
  pour cut-out: 157.48,314.96 ccw(c157.48,157.48) 0,157.48 ccw(c157.48,157.48) 157.48,0 ccw(c157.48,157.48) 314.96,157.48 ccw(c157.48,157.48)
  pour cut-out: 314.96,2598.43 ccw(c157.48,2598.43) 157.48,2755.91 ccw(c157.48,2598.43) 0,2598.43 ccw(c157.48,2598.43) 157.48,2440.94 ccw(c157.48,2598.43)
  pour cut-out: 3622.05,157.48 ccw(c3779.53,157.48) 3779.53,0 ccw(c3779.53,157.48) 3937.01,157.48 ccw(c3779.53,157.48) 3779.53,314.96 ccw(c3779.53,157.48)
Bottom Layer:
  pour cut-out: 1812.05,2545 2262.83,2545 2317.83,2490 2317.83,2137.69 2212.83,2032.69 2212.83,1860 2167.83,1815 1947.83,1815 1912.83,1850 1912.83,2015 1774.48,2153.35 1774.48,2511.2
  pour cut-out: 2942.44,2200 2962.44,2220 3442.44,2220 3467.44,2195 3467.44,1985 3447.44,1965 2957.44,1965 2942.44,1980

## Silkscreen, mask and mechanical layers (free items; w line width, h text height)
Top Overlay:
  circle w5: c3779.53,2598.43 r157.48
  circle w5: c157.48,157.48 r157.48
  circle w5: c157.48,2598.43 r157.48
  circle w5: c3779.53,157.48 r157.48
  text "AirPump" at 2622.44,2655 h38
  text "GND" at 400,2625 h38
  text "24V" at 720,2625 h38
  text "BackPad" at 1947.44,2615 h38
  text "V24" at 2602.44,2590 h38
  text "GND" at 2742.44,2590 h38
  text "Valve" at 3337.44,2346.18 h38
  text "24V" at 2944.63,2287.44 h38
  text "V4" at 3247.44,2280 h38
  text "V3" at 3342.44,2280 h38
  text "24V" at 3797.44,2065 h38
  text "V2" at 3797.44,1960 h38
  text "Leg" at 3807.44,1870 h38
  text "Leg" at 3807.44,1820 h38
  text "24V" at 3802.44,1725 h38
  text "V2" at 3802.44,1650 h38
  text "GND" at 212.44,1420 h38
  text "24V" at 402.44,1420 h38
  text "GND" at 2995,1020 h38
  text "REST" at 2995,950 h38
  text "SWCLK" at 2992.44,845 h38
  text "V24" at 3640,785 h38
  text "SWDIO" at 2995,730 h38
  text "GND" at 3640,680 h38
  text "VCC" at 2995,640 h38
  text "Hot" at 3635,570 h38
  text "GND" at 227.44,430 h38
  text "24V" at 392.44,430 h38
  text "RT5728MainDriver V0.01" at 3157.44,380 h45
  text "GND" at 930,315 h38
  text "2LMD5728001" at 3277.44,315 h45
  text "A" at 1067.44,295 h38
  text "VCC" at 1144.6,295.26 h38
  text "WAKE" at 1756.44,286.99 h38
  text "B" at 860,285 h38
  text "GND" at 1425,270 h38
  text "VCC" at 1622.44,270 h38
  text "A" at 1548.41,266 h38
  text "B" at 1340,265 h38
  text "20181215" at 3277.44,255 h45
  text "GND" at 2442.44,60 h38 r90
  text "TX" at 2487.44,60 h38 r90
  text "RX" at 2537.44,60 h38 r90
  text "VCC" at 2582.44,60 h38 r90
  text "VCC" at 3055,55 h38 r90
  text "BackPulse" at 3108.01,55 h38 r90
  text "GND" at 3155,55 h38 r90
Bottom Overlay:
  text "V24" at 2677.44,2565 h38
  text "GND" at 2887.44,2565 h38
  text "GND" at 537.44,2340 h38
  text "24V" at 795,2340 h38
  text "V3" at 3387.44,2225 h38
  text "24V" at 3094.63,2222.44 h38
  text "V4" at 3242.44,2220 h38
  text "24V" at 3847.44,2070 h38
  text "V2" at 3847.44,1965 h38
  text "24V" at 3837.44,1740 h38
  text "V2" at 3837.44,1665 h38
  text "GND" at 3135.09,1044 h38
  text "REST" at 3135.09,944 h38
  text "GND" at 331.65,940 h38
  text "24V" at 471.65,940 h38
  text "SWCLK" at 3140.09,839 h38
  text "V24" at 3585,790 h38 r180
  text "SWDIO" at 3140.09,744 h38
  text "GND" at 3585,740 h38 r180
  text "VCC" at 3137.65,649 h38
  text "A" at 1087.44,600 h38
  text "VCC" at 1220,600 h38
  text "B" at 892.44,595 h38
  text "GND" at 1027.44,595 h38
  text "GND" at 332.44,545 h38
  text "24V" at 497.44,545 h38
  text "GND" at 2960,285 h38
  text "GND" at 1975,275 h38 r270
  text "TX" at 2075,275 h38 r270
  text "RX" at 2175,275 h38 r270
  text "VCC" at 2275,275 h38 r270
  text "WAKE" at 1770,270 h38 r270
  text "B" at 1405,265 h38
  text "GND" at 1470,265 h38 r270
  text "A" at 1610,265 h38
  text "VCC" at 1670,265 h38 r270
  text "A" at 1082.44,260 h38
  text "VCC" at 1222.44,260 h38
  text "B" at 887.44,255 h38
  text "GND" at 1022.44,255 h38

## Text inside footprints (layer, text, board x,y; h text height)
C2: Top Overlay "+" at 1152.44,2655 h59.05 r270
C5: Top Overlay "+" at 1027.44,1065 h59.05 r180
C7: Top Overlay "+" at 2950,2600 h59.05
C9: Top Overlay "+" at 1507.44,732 h39.37 r90
CN1: Top Overlay "5" at 1771.81,239 h38; Top Overlay "1" at 1393.81,241 h38
CN2: Top Overlay "1" at 367.35,2614 h38
CN3: Top Overlay "1" at 189.44,816 h38
CN4: Top Overlay "1" at 2549.72,2397 h38
CN5: Top Overlay "1" at 189.44,1316 h38
CN6: Top Overlay "1" at 3567.7,1968 h38 r90; Top Overlay "2" at 3566.7,2070 h38 r90
CN7: Top Overlay "1" at 1998.44,241 h38; Top Overlay "4" at 2277.44,241 h38
CN8: Top Overlay "1" at 2963.61,2199 h38
CN9: Top Overlay "1" at 3567.7,1658 h38 r90; Top Overlay "2" at 3566.7,1760 h38 r90
CN10: Top Overlay "1" at 1806.72,2494 h38
CN11: Top Overlay "3" at 2876.24,241 h38; Top Overlay "1" at 2686.24,239 h38
CN13: Top Overlay "4" at 1156.81,235 h38; Top Overlay "1" at 877.81,235 h38
CN14: Top Overlay "4" at 1156.81,575 h38; Top Overlay "1" at 877.81,575 h38
CN15: Top Overlay "1" at 3420.63,690 h38 r90; Top Overlay "2" at 3420.63,795 h38 r90
D1: Top Overlay "+" at 2949.72,2067.35 h39.37 r180
U1: Top Overlay "1" at 3266.81,1845 h38 r270